# KiCad board st251n_20603.kicad_pcb (continued)
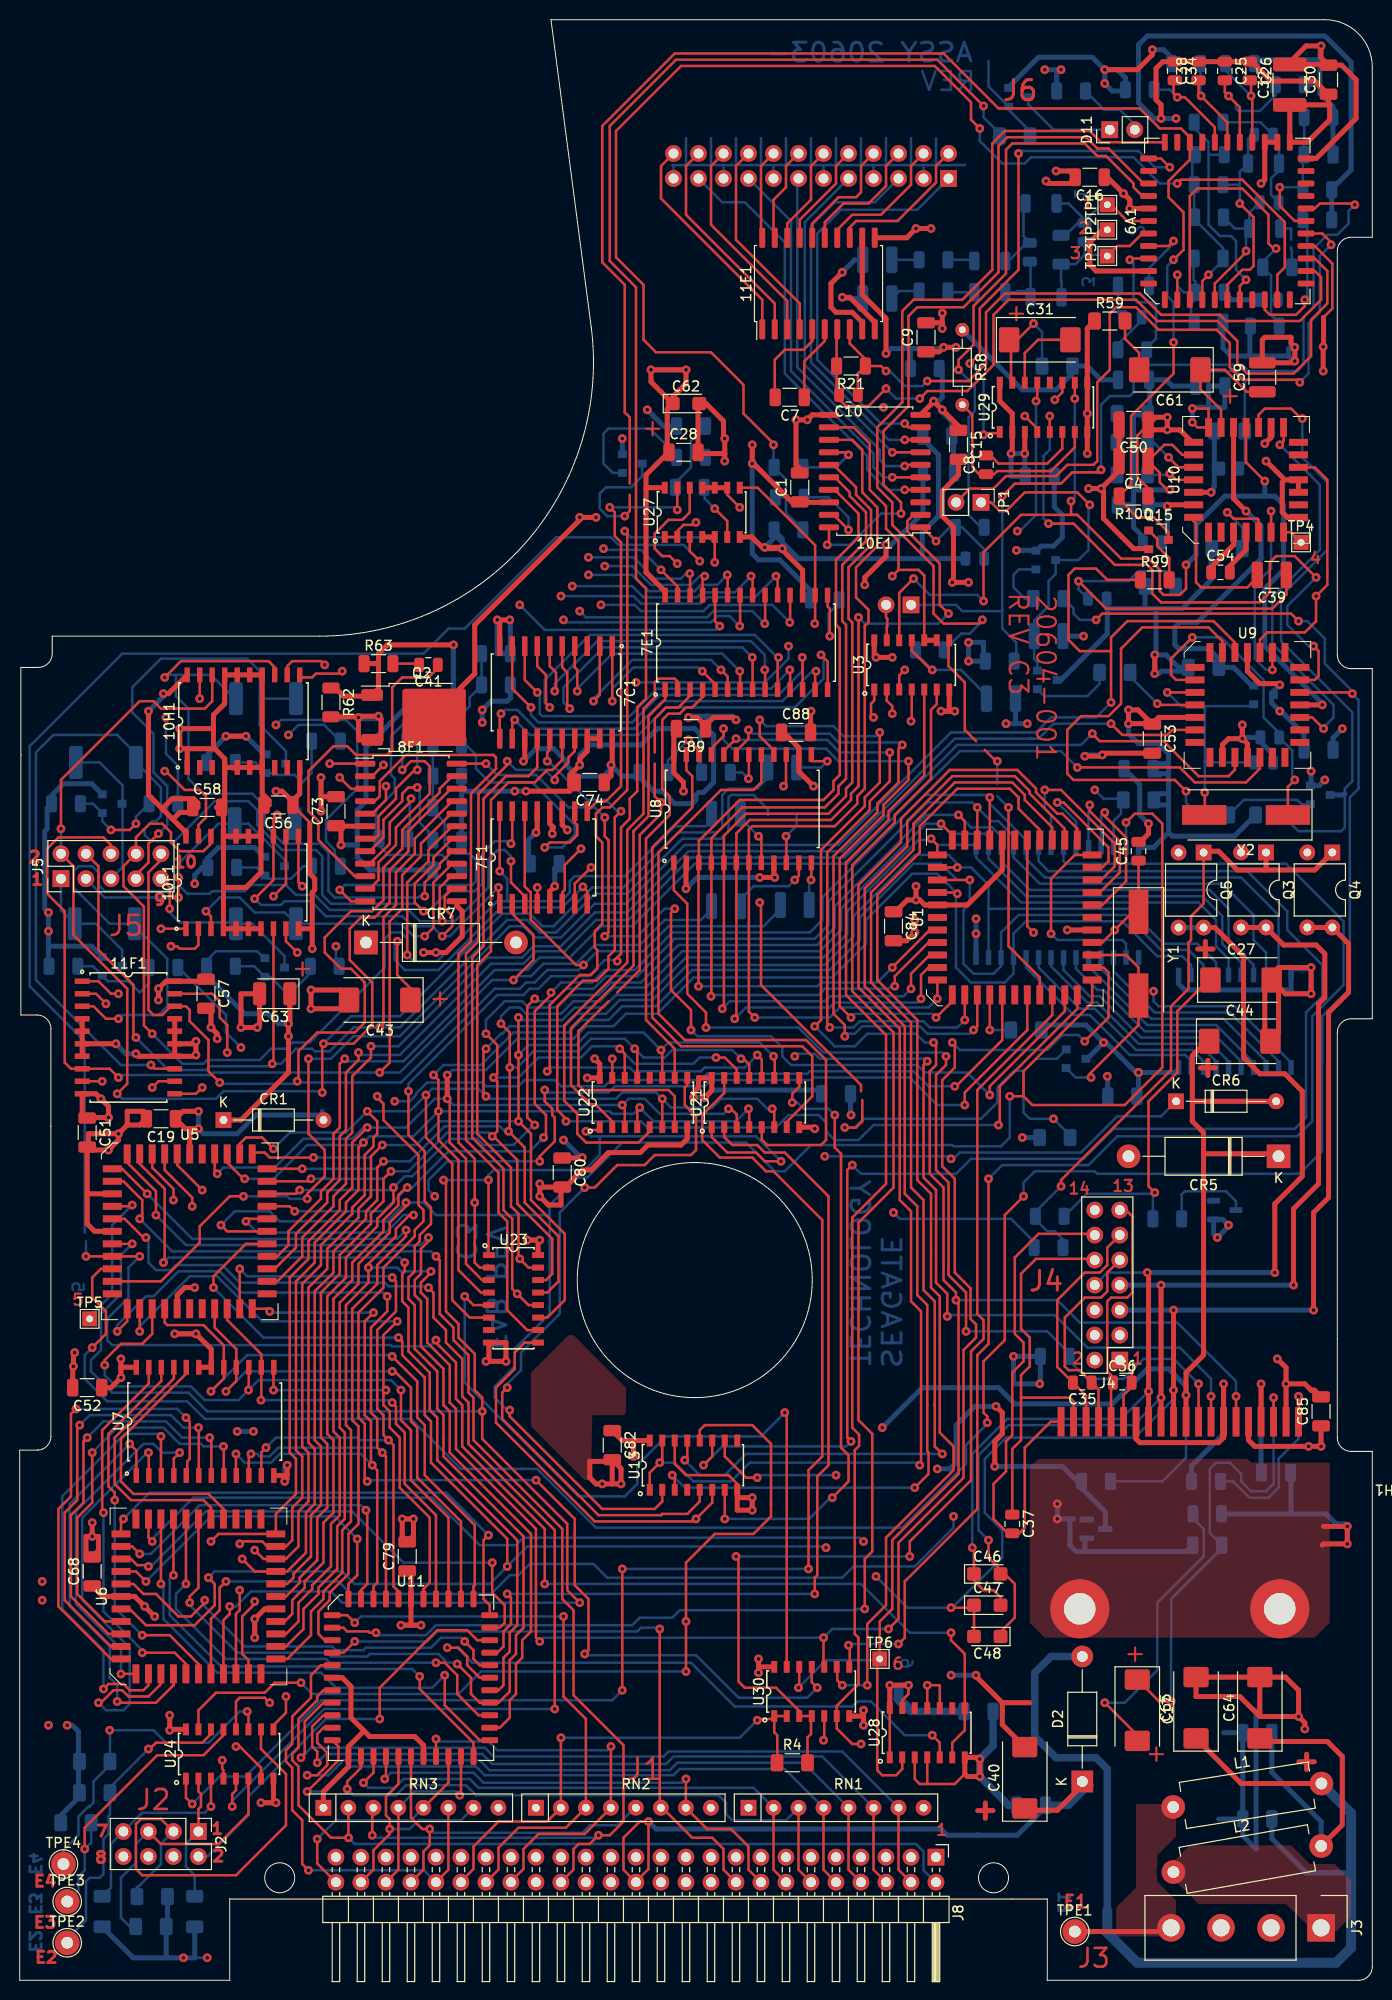
[diagram p0: board, top side]
## Routing (per net, layer and track width the routed paths; a pad name or vN(x,y) marks a point on that pad's centre or on a via; arc(x,y) is an arc through that point) (continued)
  Bottom w0.254: v1(27.3,126.49) 28.32,127.51 30.93,127.51 R36.1 ; v1(59.44,143.64) 62.23,143.64 64.14,141.73 68.2,141.73 69.09,142.62 v1(69.6,142.62)
/Analog/MOTC+: length 35.4
  Top w0.254: v1(41.15,106.05) 42.04,106.93 42.04,111.51 43.94,113.41 44.4,113.41 ; 10F1.3 19.43,108.08 v1(18.92,108.59)
  Bottom w0.254: v1(41.15,106.05) 40,106.05 38.73,107.32 R67B1.1 26.93,108.46 23.88,108.46 22.35,109.98 20.32,109.98 v1(18.92,108.59)
/Analog/MOTC-: length 142.6
  Top w0.254: v1(36.58,96.77) 36.96,97.16 36.96,107.95 38.23,109.22 38.23,112.52 40.13,114.43 40.13,115.95 43.94,119.76 44.4,119.76 ; v1(25.65,93.09) 25.78,93.22 10F1.8 ; 6.73,114.43 8,113.16 8,104.65 11.56,101.09 11.56,96.01 v1(11.81,95.76)
  Bottom w0.254: 76.01,118.36 76.01,118.94 74.55,120.4 72.26,120.4 72.01,120.14 72.01,116.71 71.25,115.95 67.31,115.95 61.72,110.36 58.42,110.36 54.48,106.43 52.83,106.43 51.56,107.7 49.53,107.7 38.61,96.77 v1(36.58,96.77) 33.91,96.77 31.5,94.36 29.97,94.36 29.72,94.62 28.07,94.62 26.54,93.09 v1(25.65,93.09) 25.4,92.84 19.3,92.84 18.92,92.46 15.11,92.46 v1(11.81,95.76)
/Analog/MOTC_U: length 89.2
  Top w0.254: v1(71.88,142.75) 71.92,142.71 7E1.23
  In1.Cu w0.254: v1(57.78,142.75) 60.2,142.75 61.09,141.86 61.09,129.54 60.33,128.78 59.56,128.78 55.63,124.84 31.37,124.84 29.34,122.81 29.34,112.78 30.35,111.76 30.35,107.06 32.13,105.28 v1(32.13,105.03)
  Bottom w0.254: v1(57.78,142.75) 62.23,142.75 63.88,141.1 68.58,141.1 69.22,141.73 70.87,141.73 v1(71.88,142.75) ; R39.1 32.13,103.32 v1(32.13,105.03)
/Analog/MOTD+: length 93.9
  Top w0.254: v1(42.93,107.57) 42.67,107.82 42.67,111 43.81,112.14 44.4,112.14 ; v1(10.03,97.66) 8.76,97.66 7.49,98.93 6.09,98.93 ; v1(49.91,113.67) 49.91,111.51 51.31,110.11 7F1.3
  Bottom w0.254: v1(10.03,97.66) 10.41,98.04 14.1,98.04 14.99,98.93 14.99,103.76 11.69,107.06 R68.1 9.14,107.32 5.46,111 5.46,112.65 5.97,113.16 7.37,113.16 8,112.52 8,111.26 8.65,110.62 15.37,110.62 15.75,111 16.38,111 17.02,110.36 19.3,110.36 19.56,110.62 22.86,110.62 23.5,111.25 27.05,111.25 28.07,110.24 29.97,110.24 31.5,108.71 39.5,108.71 40.64,107.57 v1(42.93,107.57) 44.2,107.57 47.62,111 47.62,113.86 48.58,114.81 49.28,114.81 49.91,114.17 v1(49.91,113.67)
/Analog/MOTD-: length 143.7
  Top w0.254: v1(36.58,92.2) 37.59,93.22 37.59,107.57 38.86,108.84 38.86,112.27 40.77,114.17 40.77,115.44 43.81,118.49 44.4,118.49 ; v1(50.17,101.6) 52.2,103.63 52.2,106.17 50.04,108.33 7F1.2 ; 9.27,114.43 9.27,115.32 8.51,116.08 3.94,116.08 2.79,114.94 2.79,110.36 4.57,108.59 4.57,93.22 5.21,92.58 9.14,92.58 v1(10.03,91.69)
  Bottom w0.254: R13.1 70.29,108.77 69.22,107.7 65.53,107.7 62.99,105.16 58.42,105.16 56.52,103.25 53.21,103.25 51.94,101.98 50.55,101.98 v1(50.17,101.6) 48.01,101.6 38.61,92.2 v1(36.58,92.2) 19.69,92.2 19.43,91.95 10.29,91.95 v1(10.03,91.69)
/Analog/MOTD_U: length 143.2
  Top w0.254: v1(74.3,142.62) 74.46,142.46 7E1.21
  In2.Cu w0.254: v1(56.13,141.61) 56.13,140.46 55.12,139.45 54.86,139.45 54.36,138.94 54.36,138.18 53.47,137.29 53.47,136.78 51.44,134.75 48.13,134.75 43.31,129.92 34.67,129.92 34.42,129.67 29.59,129.67 28.32,128.4 28.32,126.11 27.81,125.6 25.27,125.6 24.38,126.49 24.38,127.51 23.5,128.4 19.94,128.4 17.65,126.11 6.48,126.11 5.46,125.1 5.46,111 6.6,109.86 6.6,97.28 12.07,91.82 17.65,91.82 18.92,93.09 20.83,93.09 v1(22.48,94.74)
  Bottom w0.254: v1(56.13,141.61) 62.23,141.61 63.37,140.46 68.83,140.46 69.34,140.97 72.64,140.97 v1(74.3,142.62) ; R15.1 16.13,102.87 20.95,98.04 20.95,96.27 v1(22.48,94.74)
/Analog/MOTE+: length 48.3
  Top w0.254: v1(48.64,111) 48.64,109.47 7F1.1 ; v1(42.93,106.05) 43.94,107.06 43.94,108.08 43.18,108.84 43.18,110.09 43.96,110.87 44.4,110.87 ; v1(23.88,109.86) 25.78,111.76 10F1.13 25.78,117.98 v1(26.16,118.36)
  Bottom w0.254: v1(23.88,109.86) 24.51,109.22 26.54,109.22 26.92,109.6 29.59,109.6 31.12,108.08 38.86,108.08 39.88,107.06 41.91,107.06 v1(42.93,106.05) 43.69,106.05 v1(48.64,111) ; R68B1.1 27.05,117.48 v1(26.16,118.36)
/Analog/MOTE-: length 132.4
  Top w0.254: 10F1.18 19.43,115.44 18.67,114.68 16.26,114.68 15.37,115.57 15.37,116.59 14.48,117.48 13.21,117.48 11.81,116.08 11.81,114.43 10.54,113.16 10.54,111.12 12.62,109.05 12.62,101.99 12.62,101.98 12.62,96.98 v1(13.46,96.14) ; 44.4,117.22 43.94,117.22 41.53,114.81 41.53,113.67 39.37,111.51 v1(39.37,104.14) ; 7F1.16 v1(48.77,112.65)
  Bottom w0.254: 49.53,109.6 48.51,109.6 42.42,103.51 40,103.51 v1(39.37,104.14) 39.37,105.79 38.73,106.43 37.72,106.43 37.08,105.79 37.08,102.87 29.46,95.25 27.69,95.25 27.05,94.62 25.53,94.62 24.38,93.47 19.05,93.47 18.67,93.09 16.51,93.09 v1(13.46,96.14) ; 49.53,109.6 54.99,109.6 55.88,110.49 55.88,111.63 56.39,112.14 61.47,112.14 66.55,117.22 69.72,117.22 70.29,117.79 R10.1 ; 49.53,109.6 49.53,111.89 v1(48.77,112.65)
/Analog/MOTE_U: length 85.5
  Top w0.254: v1(76.84,142.62) 77,142.46 7E1.19
  In2.Cu w0.254: v1(26.04,127.51) 28.83,130.3 33.78,130.3 34.16,130.68 43.18,130.68 47.88,135.38 51.18,135.38 52.7,136.91 52.7,137.54 53.59,138.43 53.59,139.83 54.36,140.59 v1(54.99,140.59)
  Bottom w0.254: v1(54.99,140.59) 62.36,140.59 63.12,139.83 69.22,139.83 69.85,140.46 74.68,140.46 v1(76.84,142.62) ; v1(26.04,127.51) 26.54,128.02 33.15,128.02 34.29,126.87 34.29,121.03 31.12,117.86 31.12,115.7 32,114.81 32,114.3 32.58,113.73 R16.1
/Analog/RREF: length 19.7
  Top w0.254: 4H1.1 v1(129.92,59.31)
  Bottom w0.254: v1(129.92,59.31) 129.92,54.99 127.89,52.96 127.89,50.04 126.87,49.02 124.94,49.02 123.29,50.67 R50.2
/Analog/UHALL+: length 7.1
  Top w0.254: 4H1.15 112.14,59.44 112.96,60.26 C36.2 112.96,61.79 J4.1
/Analog/UHALL-: length 24.6
  Top w0.254: J4.13 112.4,78.23 113.03,77.6 113.03,69.85 112.52,69.34 110.87,69.34 110.49,68.96 110.49,61.85 110.87,61.47 110.87,56.73
/Analog/VHALL+: length 41.3
  Top w0.254: 101.73,59.18 101.73,61.47 102.62,62.36 102.62,65.28 101.73,66.17 101.73,71.76 103.25,73.28 109.09,73.28 J4.10 ; 101.73,59.18 106.68,59.18 107.06,58.8 4H1.19 ; 101.73,59.18 101.73,54.86 100.84,53.98 C37.1
/Analog/VHALL-: length 54.3
  Top w0.254: 4H1.20 104.74,56.73 102.11,54.1 102.11,45.97 101.54,45.41 100.39,45.41 98.93,46.86 98.93,50.42 100.2,51.69 100.2,54.74 100.84,55.37 100.84,61.72 101.98,62.87 101.98,64.77 101.09,65.66 101.09,73.41 103.5,75.82 109.09,75.82 J4.12
/Analog/WHALL+: length 21.8
  Top w0.254: 4H1.17 109.6,60.01 C35.1 108.9,60.77 107.7,61.98 106.55,61.98 106.17,62.36 106.17,67.31 108.2,69.34 109.85,69.34 110.49,69.98 110.49,71.88 J4.9
/Analog/WHALL-: length 23.7
  Top w0.254: J4.11 110.49,74.42 110.49,72.64 109.73,71.88 108.2,71.88 105.41,69.09 105.41,62.3 C35.2 108.33,59.38 4H1.18
/Analog/WRT_FAULT: length 30.5
  Top w0.254: U3.10 91.89,142.68 91.31,143.26 89.28,143.26 ; 10E1.12 84.71,157.73 86.36,156.08 86.36,151.38 88.01,149.73 88.01,147.45 89.28,146.18 89.28,143.26 ; 89.28,143.26 v1(88.65,142.62)
  Top w0.508: U3.9 U3.10
/Analog/WRT_OK: length 14.7
  Top w0.254: v1(130.56,170.69) 130.56,170.05 129.67,169.16 127,169.16 126.49,169.67 6A1.15
  Bottom w0.254: v1(130.56,170.69) 130.81,170.94 130.81,178.37 R104.2
/Analog/~{SM_DIS}: length 18.1
  Top w0.254: v1(80.77,137.8) 80.81,137.83 7E1.16 80.81,145.76 74.97,151.6 U27.8
/Analog/~{WRT_GATE}: length 152.4
  Top w0.254: v1(117.22,174.75) 118.24,175.77 118.24,179.58 116.71,181.1 116.71,182.75 118.87,184.91 6A1.37 118.87,187.2 117.98,188.09 115.82,188.09 113.79,190.12 99.44,190.12 93.85,195.71 66.55,195.71 59.18,188.34 59.18,174.5 61.47,172.21 61.47,159.26 61.98,158.75 61.98,152.02 ; Q15.3 116.7,147.08 115.19,148.59 113.54,148.59 111.69,150.43 R100.2 112.9,151.96 112.9,158.88 117.22,163.19 v1(117.22,166.37)
  Bottom w0.254: v1(117.22,174.75) 116.59,174.12 116.59,171.07 117.22,170.43 v1(117.22,166.37)
/Digital/2/7_RLLI: length 26.1
  Top w0.254: U10.16 131.57,153.67 132.84,152.4 132.84,141.73 v1(131.7,140.59) 131.7,138.05 130.56,136.91 126.75,136.91 126,136.16 U9.28
/Digital/2/7_RLLO: length 8.2
  Top w0.254: v1(115.57,129.67) 115.7,129.54 U9.8
  Bottom w0.254: v1(115.57,129.67) 112.8,132.44 R73.2
/Digital/2FVFO: length 21.8
  Top w0.254: 127.13,147.08 v1(127.13,149.23) ; v1(127.25,133.1) 127.27,133.11 U9.27
  Bottom w0.254: v1(127.13,149.23) 127.13,143.38 125.48,141.73 125.48,134.24 126.62,133.1 v1(127.25,133.1)
/Digital/A0: length 22.4
  Bottom w0.254: 102.24,103.89 102.24,102.87 107.06,98.04 108.71,98.04 112.78,93.98 118.43,93.98 119,93.41 119,92.71
/Digital/A1: length 22.4
  Bottom w0.254: U4.9 103.5,102.87 107.7,98.68 109.22,98.68 113.41,94.49 119.13,94.49 120.27,93.34 120.27,92.71
/Digital/A2: length 22.3
  Bottom w0.254: 121.54,92.71 121.54,93.34 119.76,95.12 113.66,95.12 109.47,99.31 108.46,99.31 104.78,103 U4.8
/Digital/A3: length 22.5
  Bottom w0.254: 122.81,92.71 122.81,93.34 120.4,95.76 113.92,95.76 109.73,99.95 108.71,99.95 106.04,102.62 U4.7
/Digital/A4: length 22.4
  Bottom w0.254: 124.08,92.71 124.08,93.34 121.03,96.39 114.3,96.39 110.11,100.58 109.47,100.58 107.31,102.74 U4.6
/Digital/A5: length 22.2
  Bottom w0.254: U4.5 108.59,103 114.55,97.03 121.54,97.03 125.35,93.22 125.35,92.71
/Digital/A6: length 22.4
  Bottom w0.254: 126.62,92.71 126.62,93.34 122.3,97.66 114.94,97.66 109.85,102.74 U4.4
/Digital/A7: length 22.6
  Bottom w0.254: U2.12 127.89,93.34 122.94,98.3 115.32,98.3 111.12,102.49 U4.3
/Digital/A8: length 16
  Top w0.254: v1(110.24,118.62) 110.24,118.24 112.4,116.08 112.4,111.63 109.98,109.22 U1.24
  Bottom w0.254: U4.25 109.85,118.24 v1(110.24,118.62)
/Digital/A9: length 16.1
  Top w0.254: v1(108.71,119.38) 108.71,118.75 111.76,115.7 111.76,112.52 109.73,110.49 U1.25
  Bottom w0.254: v1(108.71,119.38) 108.59,119.25 U4.24
/Digital/A10: length 20.6
  Top w0.254: v1(104.14,120.9) 105.79,120.9 111.25,115.44 111.25,113.16 109.85,111.76 U1.26
  Bottom w0.254: v1(104.14,120.9) 104.14,119 104.78,118.36 U4.21
/Digital/A11: length 15.8
  Top w0.254: U1.27 109.98,113.03 110.62,113.67 110.62,115.06 106.04,119.63 v1(105.41,119.63)
  Bottom w0.254: v1(105.41,119.63) 107.31,117.73 U4.23
/Digital/A12: length 20.2
  Top w0.254: U1.28 107.19,114.3 104.78,111.89 v1(104.78,106.3)
  Bottom w0.254: U4.2 112.4,105.28 112.01,105.66 105.41,105.66 v1(104.78,106.3)
/Digital/CLK_10M_2: length 41
  Top w0.254: 85.6,89.41 85.6,87.25 84.96,86.61 v1(83.82,86.61)
  Bottom w0.254: Q14.2 105.37,93.6 103.25,93.6 102.03,92.37 101.01,92.37 99.33,90.69 99.33,89.17 97.66,87.5 85.72,87.5 84.84,86.61 v1(83.82,86.61) ; 101.98,92.37 101.98,88.14 102.62,87.5 v1(105.03,87.5) 106.71,85.83 R11.2
/Digital/CLK_15M: length 38.1
  Top w0.508: v1(124.59,149.23) 123.32,150.5 U10.23
  Bottom w0.508: v1(124.59,149.23) 126.11,147.7 126.11,144.4 119.63,137.92 117.86,137.92 117.35,137.41 117.35,135.64 117.73,135.25 120.78,135.25 121.82,134.21 R41.2 123.32,133.35 125.16,131.51 125.3,131.51
/Digital/DIRECTION: length 73.8
  Top w0.254: 7C1.17 56.39,124.84 55.75,124.21 55.75,123.7 54.36,122.3 v1(54.36,121.92) ; v1(49.53,123.83) 49.53,123.44 46.61,120.52 46.61,105.54 45.34,104.27 45.34,85.34 48.64,82.04 48.64,77.98 49.53,77.09 49.53,68.07 51.56,66.04 U23.10
  Bottom w0.254: v1(54.36,121.92) 53.34,122.94 50.42,122.94 v1(49.53,123.83)
/Digital/OLD_CLK_10M0: length 132.4
  Top w0.254: v1(69.09,144.15) 68.07,145.16 U27.3
  Bottom w0.254: v1(69.09,144.15) 67.44,145.8 60.83,145.8 60.07,146.56 54.48,146.56 45.21,137.29 43.56,137.29 41.02,134.75 10.41,134.75 1.02,125.35 1.02,100.97 6.6,95.38 6.6,75.95
/Digital/OLD_CLK_10M_2: length 75.9
  Top w0.254: v1(75.18,109.47) 75.31,109.35 75.31,101.09 85.47,90.93 85.47,90.3 ; v1(68.71,148.08) 68.45,147.83 67.44,147.83 66.8,147.19 U27.2 U27.1
  In2.Cu w0.254: v1(75.18,109.47) 71.5,109.47 67.06,113.92 67.06,119.13 64.77,121.41 64.77,133.6 63.75,134.62 63.75,144.53 67.31,148.08 v1(68.71,148.08)
/Digital/PORT0_CP: length 62.5
  Top w0.254: v1(71.63,46.86) U13.7 ; v1(78.49,89.15) 78.49,90.04 79.19,90.75 U21.9 ; v1(82.55,49.02) 84.2,50.67 84.2,53.34 83.44,54.1 83.44,83.95 82.8,84.58 v1(82.8,87.88)
  Bottom w0.254: v1(82.55,49.02) 82.36,49.02 80.2,46.86 v1(71.63,46.86) ; v1(78.49,89.15) 78.99,89.15 79.63,88.52 82.17,88.52 v1(82.8,87.88)
/Digital/PORT1_CP: length 38.9
  Top w0.254: U23.9 51.31,64.77 50.29,63.75 50.29,62.1 48.39,60.2 48.39,56.64 58.42,46.61 68.45,46.61 v1(68.71,46.86) 70.36,48.51 U13.6
/Digital/PORT2_CP: length 73.6
  Top w0.254: U22.9 67.82,90.93 67.56,90.68 67.56,88.9 68.71,87.76 68.71,84.33 68.2,83.82 64.52,83.82 63.5,82.8 60.71,82.8 58.42,80.52 v1(57.4,80.52) ; v1(49.53,60.2) 49.02,59.69 49.02,57.02 58.8,47.24 65.15,47.24 65.28,47.37 67.82,47.37 69.09,48.64 U13.5
  Bottom w0.254: v1(57.4,80.52) 54.86,77.98 54.86,67.69 50.93,63.75 50.93,61.98 49.53,60.58 v1(49.53,60.2)
/Digital/PORT_A13: length 127.6
  Top w0.254: v1(91.44,52.32) 91.57,52.45 91.57,67.95 90.55,68.96 90.55,78.11 89.41,79.25 89.41,96.65 85.22,100.84 85.22,111.25 89.53,115.57 89.53,117.98 94.49,122.94 101.35,122.94 103.25,121.03 103.25,120.65 105.41,118.49 105.92,118.49 107.44,116.97 U1.29 ; U13.1 64.01,51.56 v1(65.02,52.58) 65.28,52.83 U13.15
  Bottom w0.254: v1(65.02,52.58) 66.55,52.58 68.45,50.67 72.26,50.67 74.17,52.58 91.19,52.58 v1(91.44,52.32)
/Digital/PORT_A14: length 121
  Top w0.254: 92.2,58.55 92.2,58.42 ; 92.2,58.55 92.2,53.72 92.33,53.59 92.33,51.44 v1(90.93,50.04) ; 92.2,58.55 92.2,68.58 91.19,69.6 91.19,78.61 89.92,79.88 89.92,96.9 85.85,100.97 85.85,110.87 90.17,115.19 90.17,117.73 94.74,122.3 101.09,122.3 102.62,120.78 102.62,120.52 106.17,116.97 U1.30 ; v1(66.29,51.31) 66.55,51.05 U13.3
  Bottom w0.254: v1(90.93,50.04) 67.56,50.04 v1(66.29,51.31)
/Digital/PORT_A15: length 118.1
  Top w0.254: v1(67.56,52.83) 67.82,53.09 U13.13 ; v1(93.73,53.47) 92.96,54.23 92.96,58.55 ; U1.31 104.9,117.09 102.11,119.89 102.11,120.4 100.84,121.67 95,121.67 90.81,117.48 90.81,114.81 86.49,110.49 86.49,101.35 90.55,97.28 90.55,80.52 91.82,79.25 91.82,70.1 92.96,68.96 92.96,58.55 ; 92.96,58.55 92.96,58.29
  Bottom w0.254: v1(93.73,53.47) 73.79,53.47 71.63,51.31 69.09,51.31 v1(67.56,52.83)
/Digital/RGATE: length 40.3
  Top w0.254: v1(128.02,155.96) 128.4,156.34 U10.19 ; U9.21 131.32,128.27 v1(132.46,127.13)
  Bottom w0.254: v1(132.46,127.13) 132.46,127.25 133.48,128.27 133.48,129.54 127.25,135.76 127.25,140.46 132.08,145.29 132.08,151.89 v1(128.02,155.96)
/Digital/SRAM_CE: length 8.3
  Bottom w0.254: U4.26 111.12,117.73 111.89,118.49 111.89,120.02 110.11,120.02 v1(109.22,120.9)
/Digital/STEP_OIC: length 110.8
  Top w0.254: 7C1.15 53.85,124.97 53.59,124.71 v1(53.59,123.83) ; v1(61.09,118.75) 60.45,118.11 60.45,104.65 59.82,104.01 59.82,102.74 58.61,101.54 57.21,101.54 54.61,98.93 54.61,88.39 55.5,87.5 v1(55.5,87.25) ; U1.17 107.44,98.68 99.57,90.81 99.57,87 v1(99.44,86.87)
  Bottom w0.254: v1(61.09,118.75) 60.71,118.75 59.56,119.89 57.66,119.89 53.72,123.83 v1(53.59,123.83) ; v1(55.5,87.25) 63.12,87.25 63.75,86.61 76.84,86.61 78.11,87.88 81.15,87.88 81.92,87.12 81.92,86.23 82.8,85.34 85.22,85.34 86.74,86.87 v1(99.44,86.87)
/Digital/SYSRST: length 75.3
  Top w0.254: v1(103.25,160.4) 103.38,160.53 U29.13 ; U1.10 v1(98.55,96.52)
  In1.Cu w0.254: v1(101.35,147.19) 100.58,147.19 99.57,146.18 99.57,132.97 97.92,131.32 97.92,122.43 99.44,120.9 99.44,119.51 98.55,118.62 v1(98.55,96.52)
  Bottom w0.254: v1(101.35,147.19) 101.6,147.19 103.25,148.84 v1(103.25,160.4) ; R42.1 v1(98.55,96.52)
/Digital/VFO_LKD: length 45.2
  Top w0.254: U9.3 122.19,136.01 120.78,137.41 114.05,137.41 111.89,135.25 111.89,129.67 110.62,128.4 107.82,128.4 106.43,127 106.43,122.56 107.06,121.92 117.35,121.92 v1(118.49,120.78)
  Bottom w0.254: 119.74,118.36 118.49,119.61 v1(118.49,120.78)
/Digital/~{1'S_RESET}: length 64.5
  Top w0.254: v1(131.7,142.49) 129.54,144.65 127.63,144.65 127,144.02 127,140.97 125.98,139.95 115.95,139.95 115.06,140.84 115.06,143.26 114.55,143.76 111.25,143.76 107.06,147.96 v1(104.52,147.96) ; U9.24 131.57,132.08 131.95,132.46 131.95,135 v1(131.44,135.51) ; U29.5 v1(104.65,158.88)
  Bottom w0.254: v1(131.7,142.49) 128.78,139.57 128.78,137.67 130.94,135.51 v1(131.44,135.51) ; v1(104.65,158.88) 104.65,155.45 104.01,154.81 104.01,148.46 v1(104.52,147.96)
/Digital/~{HALFSTEP}: length 62.3
  Top w0.254: 7C1.16 55.12,123.95 54.1,122.94 53.59,122.94 52.32,121.67 49.66,121.67 47.88,119.89 47.88,104.52 46.48,103.12 46.48,85.98 49.91,82.55 49.91,78.61 50.67,77.85 50.67,73.41 v1(50.8,73.28) 51.69,72.39 U23.15
/Digital/~{PSEN}: length 117.7
  Top w0.254: v1(86.11,29.97) 86.11,36.2 88.01,38.1 88.01,44.96 94.87,51.82 94.87,54.23 93.47,55.63 93.47,69.47 92.58,70.36 92.58,79.88 91.19,81.28 91.19,97.54 87.12,101.6 87.12,110.24 91.44,114.55 91.44,117.22 95.25,121.03 100.58,121.03 101.47,120.14 101.47,119 103.63,116.84 U1.32 ; v1(83.57,29.97) 83.06,30.48 83.06,31.78 U30.9
  Bottom w0.254: v1(86.11,29.97) v1(83.57,29.97)
/Digital/~{READ_DATA}: length 112.1
  Top w0.254: v1(118.49,143.76) 118.49,141.35 117.86,140.72 116.21,140.72 115.82,141.1 115.82,143.26 114.68,144.4 111.89,144.4 107.44,148.84 ; v1(106.81,150.24) 106.81,148.84 107.44,148.84 ; 107.44,148.84 101.73,148.84 97.92,145.03 v1(97.92,140.08) ; U10.22 124.59,154.18 v1(126.49,152.27) ; U29.10 v1(107.19,160.66) ; v1(90.81,142.37) 89.35,140.92 U3.12
  Top w0.508: v1(132.33,129.54) U9.22
  Bottom w0.254: v1(106.81,150.24) 107.19,150.62 v1(107.19,160.66) ; v1(90.81,142.37) 92.46,140.72 97.28,140.72 v1(97.92,140.08)
  Bottom w0.508: 126.49,150.75 v1(126.49,152.27) ; 126.49,150.75 122.43,150.75 119.51,147.83 119.51,144.78 v1(118.49,143.76) ; 126.49,150.75 127.51,150.75 128.4,149.86 128.4,143.26 126.49,141.35 126.49,135.51 132.33,129.67 v1(132.33,129.54)
/Digital/~{RGATE2}: length 33.4
  Top w0.254: v1(108.71,149.86) 107.44,151.13 102.11,151.13 100.2,149.23 99.57,149.23 98.68,150.11 JP1.1
  Bottom w0.254: v1(108.71,149.86) 108.59,149.73 108.59,145.29 107.55,144.25 Q16.3 105.25,142.84 104.52,142.11 104.52,139.57 103.06,138.11 R72.1 103.06,134.18 103.39,133.84 Q17.2
/Digital/~{SCSI_CS}: length 97.1
  Top w0.254: U13.10 71.63,53.21 73.79,51.05 v1(74.93,51.05) ; U3.1 86.81,129.99 86.49,129.67 86.49,128.52 v1(86.74,128.27)
  In1.Cu w0.254: v1(86.74,128.27) 86.11,127.64 86.11,81.79 88.01,79.88 88.01,59.82 82.93,54.74 v1(82.93,51.31)
  Bottom w0.254: v1(82.93,51.31) 75.18,51.31 v1(74.93,51.05)
/Digital/~{SMRESET}: length 64.9
  Top w0.254: U23.12 51.69,68.58 v1(50.55,69.72) 50.04,70.23 50.04,77.34 49.15,78.23 49.15,82.42 45.97,85.6 45.97,103.89 47.12,105.03 47.12,120.02 49.4,122.3 51.69,122.3 52.58,123.19 7C1.14
/Digital/~{SRAM_CE1}: length 148
  Top w0.254: v1(69.47,52.32) 70.36,53.21 U13.11 ; v1(84.45,54.74) 84.07,55.12 84.07,82.3 v1(84.58,82.8)
  Bottom w0.254: U4.20 103.5,113.67 104.52,112.65 124.71,112.65 128.78,108.59 128.78,106.68 132.33,103.12 132.33,99.95 130.68,98.3 130.68,87.63 129.54,86.49 111.12,86.49 108.08,83.44 96.65,83.44 95.12,81.92 85.47,81.92 v1(84.58,82.8) ; v1(69.47,52.32) 71.37,54.23 83.95,54.23 v1(84.45,54.74)
/SCSI/ACK: length 34.6
  Top w0.254: v1(12.83,40.51) 11.81,41.53 U6.43 ; U11.6 33.4,40.26 34.29,41.15 v1(34.29,44.83)
  Bottom w0.254: v1(12.83,40.51) 19.43,47.12 32,47.12 v1(34.29,44.83)
/SCSI/BOE: length 116.1
  Top w0.254: U3.4 90.62,127.96 v1(90.55,127.89) ; U30.5 81.73,24.46 v1(81.66,24.38)
  In1.Cu w0.254: v1(90.55,127.89) 89.66,127.89 86.74,124.97 86.74,82.17 89.92,78.99 89.92,57.15 84.58,51.82 84.58,45.85 82.93,44.2 82.93,34.8 81.92,33.78 81.92,24.64 v1(81.66,24.38)
/SCSI/BSY: length 47
  Top w0.254: U6.35 v1(16.89,40.26) ; U11.31 46.61,26.92 44.45,29.08 44.45,30.99 43.18,32.26 v1(42.29,32.26)
  Bottom w0.254: v1(16.89,40.26) 15.88,39.24 15.88,37.72 20.95,32.64 31.12,32.64 31.5,32.26 v1(42.29,32.26)
/SCSI/BSYO: length 276.9
  Top w0.254: v1(97.92,190.37) 93.22,195.07 66.67,195.07 59.94,188.34 59.94,174.62 62.61,171.96 62.61,142.37 63.63,141.35 63.63,130.18 62.74,129.29 62.74,120.78 61.98,120.02 61.98,117.98 61.09,117.09 61.09,104.27 60.71,103.89 v1(60.71,103.51) ; v1(44.45,32.13) 45.85,30.73 45.85,29.08 46.74,28.19 U11.32 48.64,28.19 49.78,29.34 49.78,32.51 50.42,33.15 50.42,35.05 51.18,35.81 51.18,45.09 43.05,53.21 43.05,57.4 42.42,58.04 42.42,61.85 40.13,64.14 40.13,68.58 39.5,69.22 39.5,71.37 40.13,72.01 40.13,74.55 40.64,75.06 40.64,75.69 41.78,76.84 41.78,78.49 41.15,79.12 41.15,84.2 39.5,85.85 v1(39.5,90.3) ; v1(17.27,38.35) 17.27,38.99 18.16,39.88 U6.34
  Bottom w0.254: v1(39.5,90.3) 39.5,91.06 48.51,100.08 51.18,100.08 51.82,100.71 52.7,100.71 53.97,101.98 57.78,101.98 59.44,103.63 60.58,103.63 v1(60.71,103.51) ; v1(97.92,190.37) 97.92,189.23 99.54,187.61 R76.1 ; v1(17.27,38.35) 17.27,38.1 22.1,33.27 31.24,33.27 31.62,32.89 35.31,32.89 35.56,33.15 42.55,33.15 43.43,32.26 44.32,32.26 v1(44.45,32.13)
/SCSI/CLKA: length 65
  Top w0.254: U6.16 23.24,32.51 22.61,33.15 22.61,36.96 23.88,38.23 v1(23.88,38.48) ; U5.3 14.73,82.3 17.53,79.5 v1(17.53,78.61)
  In2.Cu w0.254: v1(23.88,38.48) 23.88,39.88 20.7,43.05 18.54,43.05 9.91,51.69 9.91,57.28 14.22,61.59 14.22,68.33 16.76,70.87 16.76,77.85 v1(17.53,78.61)
/SCSI/C~{D}: length 19.1
  Top w0.254: RN3.4 38.47,11.23 J8.46 ; U11.27 44.83,18.92 v1(44.7,18.8)
  Bottom w0.254: RN3.4 40.12,19.18 44.32,19.18 v1(44.7,18.8)
/SCSI/IO: length 87.1
  Top w0.254: U11.33 48.64,29.46 49.15,29.97 49.15,32.77 49.78,33.4 49.78,35.31 50.55,36.07 50.55,44.7 42.42,52.83 42.42,57.15 41.66,57.91 41.66,61.72 39.5,63.88 39.5,68.33 38.86,68.96 38.86,71.76 39.12,72.01 v1(39.12,72.9) ; v1(14.61,72.9) 14.73,73.03 14.73,80.39 12.19,82.93 U5.5
  Bottom w0.254: v1(14.61,72.9) 15.11,73.41 38.61,73.41 v1(39.12,72.9)
/SCSI/I~{O}: length 23.5
  Top w0.254: RN3.5 43.56,20.08 U11.26 ; v1(30.23,14.35) 30.23,11.87 J8.50
  Bottom w0.254: RN3.5 39.74,16.26 32.13,16.26 v1(30.23,14.35)
/SCSI/LO: length 50.9
  Top w0.254: v1(13.08,42.04) 12.95,42.16 11.94,42.16 11.3,42.8 U6.42 ; U11.38 48.77,35.81 49.28,36.32 49.28,38.1 48.01,39.37 v1(48.01,42.42)
  Bottom w0.254: v1(48.01,42.42) 38.99,42.42 33.78,47.62 18.92,47.62 13.34,42.04 v1(13.08,42.04)
/SCSI/MSG: length 80
  Top w0.254: U5.7 10.41,82.42 v1(12.95,79.88) ; v1(39.24,76.2) 39.24,75.57 36.32,72.64 36.32,70.74 33.78,68.2 33.78,56.9 34.42,56.26 34.42,46.36 33.4,45.34 33.4,41.28 31.5,39.37 31.5,38.61 30.35,37.47 30.35,35.18 30.99,34.54 U11.9
  Bottom w0.254: v1(39.24,76.2) 38.35,75.31 17.53,75.31 v1(12.95,79.88)
/SCSI/PA_REQ: length 63.8
  Top w0.254: v1(15.62,79.25) 15.62,80.39 13.46,82.55 U5.4 ; U6.15 21.97,37.21 22.35,37.59 v1(22.35,39.62)
  In2.Cu w0.254: v1(15.62,79.25) 16.13,78.74 16.13,71.5 13.59,68.96 13.59,61.72 9.14,57.28 9.14,51.44 18.03,42.55 20.45,42.55 22.35,40.64 v1(22.35,39.62)
/SCSI/PARITY: length 64.9
  Top w0.254: v1(65.02,35.69) 65.02,17.64 RN2.6 65.28,17.53 68.33,14.48 70.36,14.48 71.5,13.34 71.5,11.23 J8.18 ; U11.10 32.89,33.27 v1(34.04,34.42)
  Bottom w0.254: v1(34.04,34.42) 41.4,34.42 42.42,35.43 62.74,35.43 63.12,35.81 64.9,35.81 v1(65.02,35.69) 64.77,35.43
/SCSI/REQ: length 44.3
  Top w0.254: U6.44 11.56,40.26 12.57,39.24 13.84,39.24 16.13,36.96 17.4,36.96 18.8,38.35 v1(18.8,38.61) ; U11.35 46.74,32 46.1,32.64 46.1,33.53 v1(45.21,34.42)
  Bottom w0.254: v1(18.8,38.61) 18.8,37.97 22.86,33.91 31.75,33.91 32.13,33.53 34.92,33.53 35.18,33.78 41.78,33.78 42.8,34.8 44.83,34.8 v1(45.21,34.42)
/SCSI/SA0: length 38.7
  Top w0.254: U7.8 20.74,54.19 v1(20.7,54.23) ; v1(7.37,53.59) 7.37,48.51 5.84,46.99 5.84,39.24 8.64,36.45 U6.3
  Bottom w0.254: v1(7.37,53.59) 9.91,56.13 14.61,56.13 16.26,54.48 18.41,54.48 18.67,54.23 v1(20.7,54.23)
/SCSI/SA1: length 41.2
  Top w0.254: v1(6.86,55.12) 6.48,54.74 6.48,48.51 5.21,47.24 5.21,38.99 9.02,35.18 U6.4 ; U7.7 19.47,54.96 v1(19.3,55.12)
  Bottom w0.254: v1(6.86,55.12) 8.51,56.77 14.86,56.77 16.51,55.12 v1(19.3,55.12)
/SCSI/SA2: length 44
  Top w0.254: U7.6 18.2,56.1 v1(18.16,56.13) ; v1(6.1,56.39) 5.84,56.13 5.84,48.77 4.57,47.5 4.57,38.61 9.27,33.91 U6.5
  Bottom w0.254: v1(18.16,56.13) 16.64,56.13 15.37,57.4 7.11,57.4 v1(6.1,56.39)
/SCSI/SA3: length 47.1
  Top w0.254: v1(5.72,58.04) 5.21,57.53 5.21,49.15 3.94,47.88 3.94,37.97 9.27,32.64 U6.6 ; U7.5 17.02,51.36 17.02,52.71 17.27,52.96 17.27,56.77 v1(16.89,57.15)
  Bottom w0.254: v1(16.89,57.15) 16,58.04 v1(5.72,58.04)
/SCSI/SA4: length 36.3
  Top w0.254: U7.4 15.66,52.99 v1(16.26,53.59) ; v1(10.29,31.12) 10.3,31.13 U6.7
  Bottom w0.254: v1(10.29,31.12) 10.29,33.66 5.72,38.23 5.72,47.62 12.57,54.48 13.59,54.48 14.48,53.59 v1(16.26,53.59)
/SCSI/SA5: length 44.5
  Top w0.254: U6.8 13.08,29.97 12.57,29.46 11.18,29.46 10.54,30.1 9.02,30.1 v1(8.51,29.59) ; v1(14.35,55.25) 14.35,51.3 U7.3
  Bottom w0.254: v1(8.51,29.59) 8.51,33.53 4.32,37.72 4.32,49.15 10.67,55.5 14.1,55.5 v1(14.35,55.25)
/SCSI/SA6: length 45.2
  Top w0.254: U6.9 14.35,30.1 13.08,28.83 11.05,28.83 10.41,29.46 9.52,29.46 8.26,28.19 v1(8,28.19) ; v1(13.08,53.59) 13.12,53.56 U7.2
  Bottom w0.254: v1(8,28.19) 8.76,27.43 10.54,27.43 11.18,28.07 11.18,33.78 6.35,38.61 6.35,46.99 12.95,53.59 v1(13.08,53.59)
/SCSI/SA7: length 41.8
  Top w0.254: v1(9.91,28.32) 10.03,28.19 13.84,28.19 15.62,29.97 U6.10 ; U7.1 11.85,53.81 v1(11.18,54.48)
  Bottom w0.254: v1(9.91,28.32) 9.91,29.97 9.14,30.73 9.14,33.91 5.08,37.97 5.08,48.39 v1(11.18,54.48)
/SCSI/SA8: length 38.6
  Top w0.254: U6.11 16.89,32.13 15.75,33.27 v1(12.45,33.27) ; U7.23 13.12,60.61 8.38,55.88 8.38,47.62 v1(8.51,47.5)
  Bottom w0.254: v1(8.51,47.5) 8.51,37.47 12.45,33.53 v1(12.45,33.27)
/SCSI/SA9: length 38.8
  Top w0.254: v1(9.65,48.77) 9.65,49.53 9.02,50.17 9.02,55.5 14.39,60.87 U7.22 ; U6.12 18.16,32.13 15.24,35.05 v1(12.45,35.05)
  Bottom w0.254: v1(9.65,48.77) 9.65,37.85 v1(12.45,35.05)
/SCSI/SD0: length 86.3
  Top w0.254: U11.13 30.86,29.46 30.23,28.83 30.23,28.45 28.32,26.54 28.32,23.62 27.69,22.99 27.69,22.35 28.32,21.72 28.32,17.78 31.62,14.48 v1(33.4,14.48) 33.39,14.49 RN3.2
  Bottom w0.254: v1(33.4,14.48) 34.04,13.84 91.06,13.84 91.82,13.08 91.82,11.18 93.03,9.97 J8.2
/SCSI/SD1: length 79.6
  Top w0.254: J8.4 89.28,11.23 RN1.7 ; U11.14 30.86,28.19 28.96,26.29 28.96,22.99 v1(28.58,22.61)
  Bottom w0.254: RN1.7 83.57,23.24 65.91,23.24 65.41,22.73 48.13,22.73 47.24,23.62 29.59,23.62 v1(28.58,22.61)
/SCSI/SD2: length 74.3
  Top w0.254: U11.15 30.86,26.92 29.72,25.78 29.72,23.75 30.23,23.24 v1(30.23,22.1) ; J8.6 86.74,11.23 RN1.6
  Bottom w0.254: RN1.6 81.53,22.73 66.42,22.73 65.66,21.97 48.01,21.97 46.99,22.99 31.12,22.99 v1(30.23,22.1)
/SCSI/SD3: length 74.2
  Top w0.254: v1(29.21,20.83) 30.21,20.83 31.24,21.86 31.24,23.11 30.23,24.13 30.23,25.02 30.86,25.65 U11.16 ; RN1.5 84.2,11.23 J8.8
  Bottom w0.254: RN1.5 79.63,22.1 66.8,22.1 66.04,21.34 47.75,21.34 46.74,22.35 32.89,22.35 31.37,20.83 v1(29.21,20.83)
/SCSI/SD4: length 70.6
  Top w0.254: J8.10 81.66,11.23 RN1.4 ; v1(29.21,19.18) 32.38,22.35 32.38,23.75 U11.17
  Bottom w0.254: v1(29.21,19.18) 31.12,19.18 33.66,21.72 46.36,21.72 47.24,20.83 66.42,20.83 67.06,21.46 77.72,21.46 RN1.4
/SCSI/SD5: length 61.2
  Top w0.254: RN1.3 79.12,11.23 J8.12 ; v1(33.27,19.43) 33.27,20.19 34.67,21.59 U11.19
  Bottom w0.254: RN1.3 77.85,16.26 72.39,16.26 71.75,16.89 71.75,18.03 70.99,18.8 46.36,18.8 45.34,19.81 39.24,19.81 38.23,18.8 33.91,18.8 v1(33.27,19.43)
/SCSI/SD6: length 54.6
  Top w0.254: U11.20 35.94,21.08 v1(34.92,20.07) ; RN1.2 76.58,11.23 J8.14
  Bottom w0.254: RN1.2 74.55,19.56 46.61,19.56 45.72,20.45 38.99,20.45 38.1,19.56 35.43,19.56 v1(34.92,20.07)
/SCSI/SD7: length 48.8
  Top w0.254: U11.21 37.21,20.57 v1(37.08,20.45) ; v1(67.69,20.45) 67.68,20.44 RN2.7 69.84,15.37 72.26,15.37 74.04,13.59 74.04,11.23 J8.16
  Bottom w0.254: v1(37.08,20.45) 37.72,21.08 46.1,21.08 47.12,20.07 67.31,20.07 v1(67.69,20.45)
/SCSI/SDB0: length 59.9
  Top w0.254: U5.28 25.13,68.21 v1(25.4,67.95) ; U7.9 21.97,51.3 v1(21.97,53.47) ; v1(35.94,67.82) 35.05,66.93 35.05,57.4 35.69,56.77 35.69,52.45 v1(35.81,52.32) 36.32,51.82 36.32,40.39 35.94,40.01 U11.4
  Bottom w0.254: v1(35.81,52.32) 34.67,53.47 26.42,53.47 25.53,52.58 22.86,52.58 v1(21.97,53.47) ; v1(25.4,67.95) 25.53,67.82 v1(35.94,67.82)
